# KiCad board CM4IOv5_upgraded_to_kicadv8.kicad_pcb (continued)
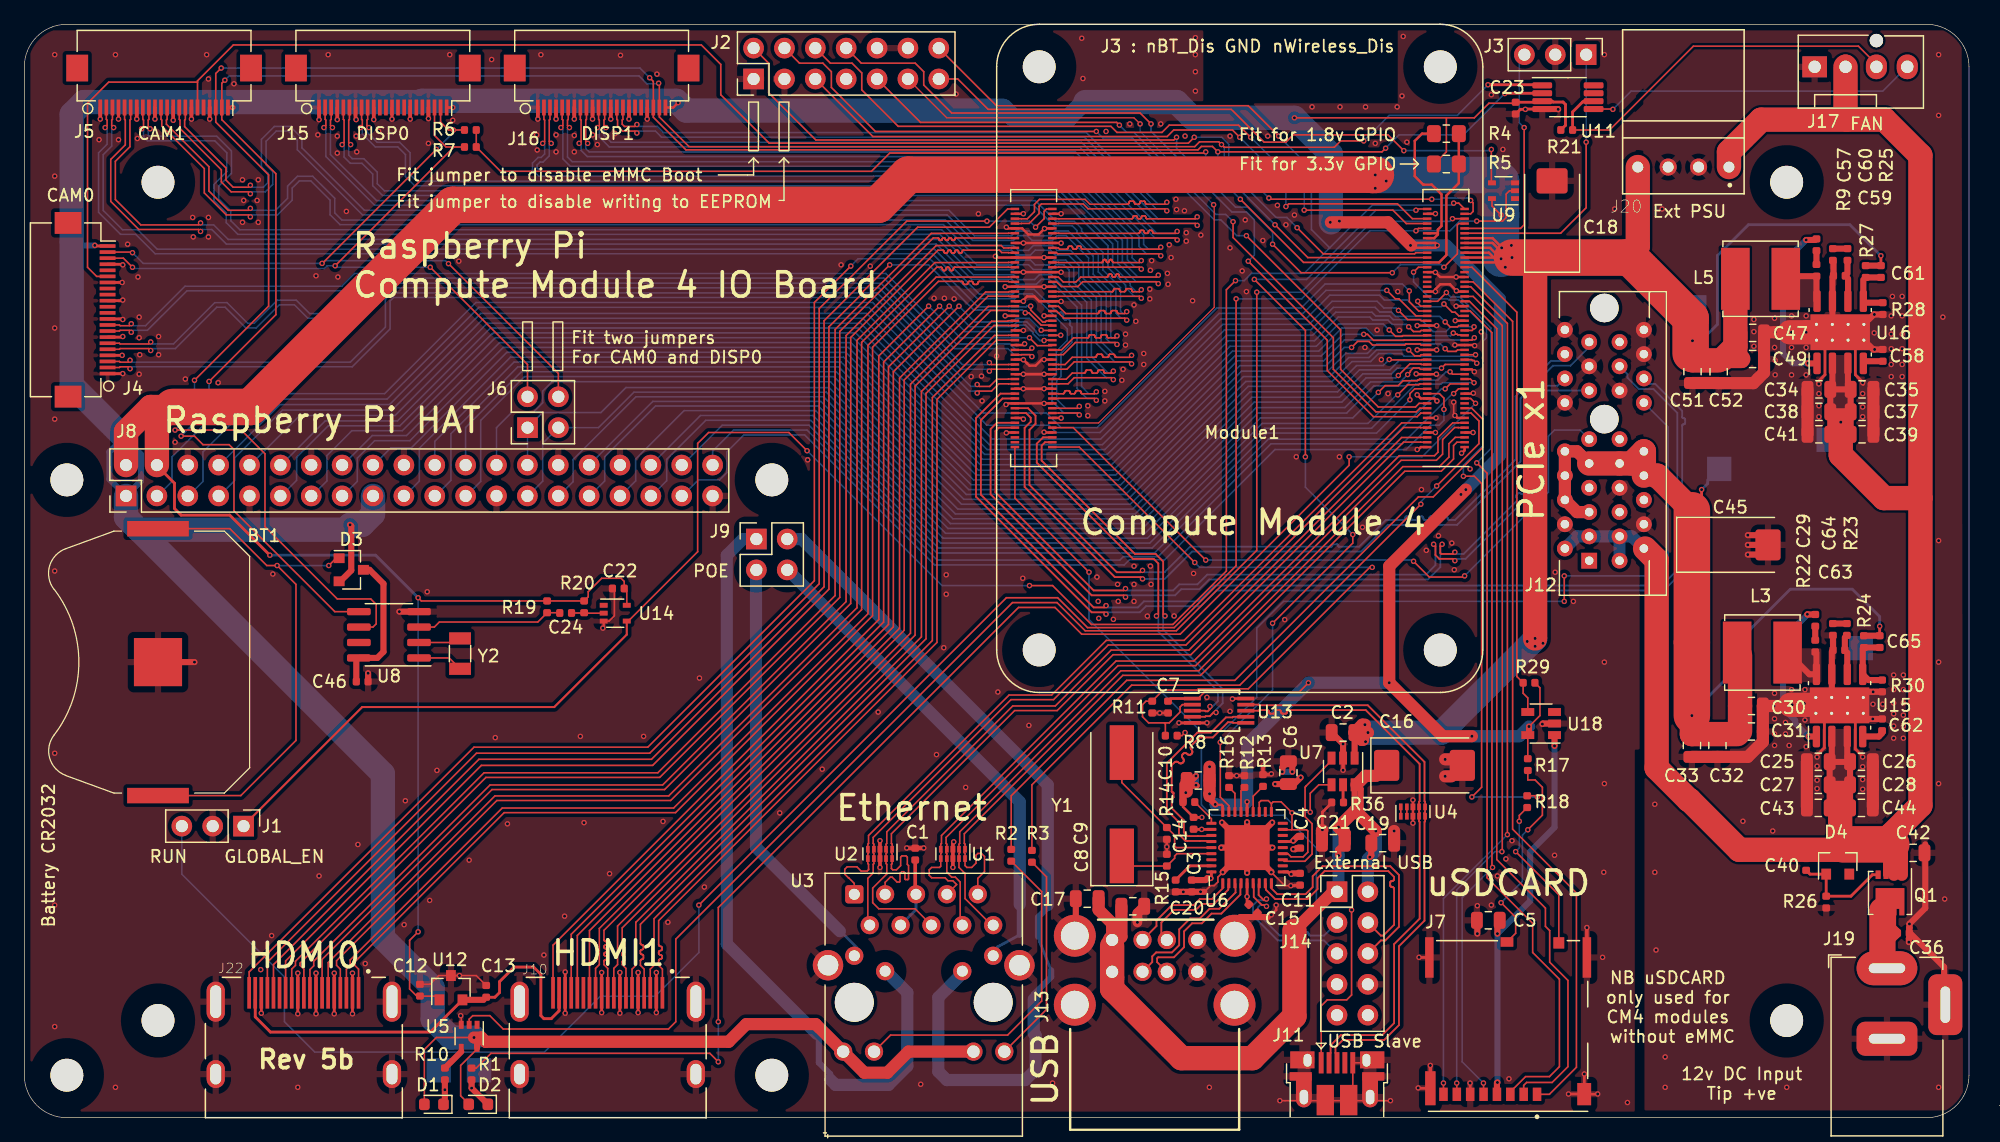
[diagram p0: board, top side]
## Routing (per net, layer and track width the routed paths; a pad name or vN(x,y) marks a point on that pad's centre or on a via; arc(x,y) is an arc through that point) (continued)
/CM4_GPIO ( Ethernet, GPIO, SDCARD)/AIN0: length 56.9
  Top w0.13: v1(103.8,75) 104.02,75.22 112.98,75.22 114.2,74 Module1.96 ; J2.5 69.82,80.76 94.03,80.76 94.57,81.3 99.4,81.3 v1(100,80.7)
  Bottom w0.13: v1(103.8,75) 103.8,76.9 v1(100,80.7)
/CM4_GPIO ( Ethernet, GPIO, SDCARD)/AIN1: length 58.6
  Top w0.13: J2.6 66.32,86.8 68.1,86.8 68.9,86 68.9,84.6 71.9,81.6 89.4,81.6 89.9,81.1 93.6,81.1 94.2,81.7 99.9,81.7 v1(100.9,80.7) ; v1(105.3,74.7) 112.6,74.7 113.7,73.6 Module1.94
  Bottom w0.13: v1(105.3,74.7) 105.3,76.3 v1(100.9,80.7)
/CM4_GPIO ( Ethernet, GPIO, SDCARD)/BT_nDis: length 18.8
  Top w0.13: Module1.91 123.1,73.2 123.4,73.5 v1(123.4,81.5)
  Bottom w0.13: v1(123.4,81.5) 123,81.9 123,87.08
/CM4_GPIO ( Ethernet, GPIO, SDCARD)/EEPROM_nWP: length 67.9
  Top w0.13: Module1.20 114.76,58.8 114.46,58.5 111.4,58.5 108.3,61.6 108.3,64.85 v1(100.55,72.6) ; J2.4 63.78,86.8 65.7,86.8 66.4,86.1 66.4,84.8 70.02,81.18 v1(88.2,81.18)
  Bottom w0.13: v1(100.55,72.6) 99.75,72.6 98.45,73.9 97.9,73.9 91.15,80.65 88.73,80.65 v1(88.2,81.18)
/CM4_GPIO ( Ethernet, GPIO, SDCARD)/ETH_LEDG: length 59.3
  Top w0.13: Module1.17 119.08,58.4 120,57.48 120,55.18 115.92,51.1 114.7,51.1 99.6,36 90.7,36 81.2,26.5 R2.2
/CM4_GPIO ( Ethernet, GPIO, SDCARD)/ETH_LEDY: length 57.2
  Top w0.13: v1(114.9,50.5) 100,35.6 91.1,35.6 82.9,27.4 R3.2 ; Module1.15 119.03,58 119.68,57.35 119.68,55.48 v1(116.2,52)
  Bottom w0.13: v1(114.9,50.5) 114.9,50.7 v1(116.2,52)
/CM4_GPIO ( Ethernet, GPIO, SDCARD)/GLOBAL_EN: length 196.2
  Top w0.13: 49.69,40.88 55.4,46.58 55.4,55.5 56.3,56.4 62.9,56.4 v1(64.4,54.9) ; v1(103.2,80.8) 100.7,83.3 79.98,83.3 J2.14 ; v1(99.65,68.9) 98.9,68.15 98.9,45 94.5,40.6 87.8,40.6 84.6,43.8 v1(82.7,43.8) ; Module1.99 118.02,75.28 v1(117.6,75.28)
  Top w0.17: 18.04,24.04 27.8,33.8 43.6,33.8 49.57,39.77 U14.4
  Bottom w0.13: v1(103.2,80.8) 105.9,78.1 105.9,73.1 107.4,71.6 ; v1(82.7,43.8) 75.5,43.8 v1(64.4,54.9) ; v1(117.6,75.28) 117.44,75.12 110.92,75.12 107.4,71.6 ; 107.4,71.6 105.3,69.5 100.97,69.5 100.37,68.9 v1(99.65,68.9)
/CM4_GPIO ( Ethernet, GPIO, SDCARD)/GPIO2: length 122.9
  Top w0.13: v1(113.95,68.05) 113.95,67.17 114.72,66.4 Module1.58
  Bottom w0.13: 10.91,51.13 12.15,52.37 12.15,54.4 17.35,59.6 29.65,59.6 37.15,67.1 69.8,67.1 78.9,58 84.1,58 85.3,56.8 88.26,56.8 98.11,66.65 105.05,66.65 107.02,68.62 113.38,68.62 v1(113.95,68.05)
/CM4_GPIO ( Ethernet, GPIO, SDCARD)/GPIO3: length 119.8
  Top w0.13: Module1.56 114.5,66 113.1,67.4 112.8,67.4 v1(112.1,68.1)
  Bottom w0.13: v1(112.1,68.1) 107.1,68.1 105.2,66.2 98.3,66.2 88.5,56.4 84.9,56.4 84.3,57 79.2,57 69.5,66.7 37.4,66.7 29.85,59.15 19.05,59.15 14.7,54.8 14.7,52.38 13.45,51.13
/CM4_GPIO ( Ethernet, GPIO, SDCARD)/GPIO4: length 116.5
  Top w0.13: Module1.54 114.93,65.6 114.84,65.69 113.82,65.69 v1(113.06,66.45)
  Bottom w0.13: v1(113.06,66.45) 112.86,66.65 111.85,66.65 111.3,67.2 107.6,67.2 105.7,65.3 98.6,65.3 88.7,55.4 79.4,55.4 69,65.8 37.8,65.8 30.25,58.25 21.25,58.25 17.3,54.3 17.3,52.44 15.99,51.13
/CM4_GPIO ( Ethernet, GPIO, SDCARD)/GPIO5: length 85.7
  Top w0.13: Module1.34 114.87,61.6 114.75,61.72 114.28,61.72 114.04,61.47 114.04,61.4 v1(113.81,61.17)
  Bottom w0.13: v1(113.81,61.17) 113.21,60.57 110.77,60.57 108.65,58.45 101.35,58.45 91.8,48.9 76.2,48.9 65.76,59.34 50.31,59.34 45.15,54.18 45.15,52.35 43.93,51.13
/CM4_GPIO ( Ethernet, GPIO, SDCARD)/GPIO6: length 82.8
  Top w0.13: v1(111.4,59.7) 111.96,60.26 113.03,60.26 113.44,60.66 114.6,60.66 114.66,60.73 114.73,60.73 114.8,60.8 Module1.30
  Bottom w0.13: 46.47,51.13 47.75,52.41 47.75,54.4 51.93,58.58 65.32,58.58 75.8,48.1 92.2,48.1 101.7,57.6 109.3,57.6 v1(111.4,59.7)
/CM4_GPIO ( Ethernet, GPIO, SDCARD)/GPIO7: length 96.5
  Top w0.13: v1(119.5,62.1) 119.28,62.32 119.15,62.32 119.07,62.4 Module1.37
  Bottom w0.13: v1(119.5,62.1) 119.28,62.32 113.12,62.32 112.35,61.56 109.86,61.56 108.05,59.75 100.85,59.75 91.2,50.1 76.8,50.1 66.32,60.58 43.43,60.58 42.65,59.8 42.65,58.85 41.9,58.1 40.15,58.1 38.85,56.8 J8.26
/CM4_GPIO ( Ethernet, GPIO, SDCARD)/GPIO8: length 98.5
  Top w0.13: Module1.39 v1(119.4,62.8)
  Bottom w0.13: v1(119.4,62.8) 119.28,62.68 113.52,62.68 113.3,62.9 111.42,62.9 110.77,62.24 109.24,62.24 107.6,60.6 100.5,60.6 90.8,50.9 77.3,50.9 66.8,61.4 40.9,61.4 36.31,56.81 36.31,53.67
/CM4_GPIO ( Ethernet, GPIO, SDCARD)/GPIO9: length 97.8
  Top w0.13: v1(113.9,63.2) 114.39,62.71 114.84,62.71 114.93,62.8 Module1.40
  Bottom w0.13: 33.77,51.13 35.1,52.46 35.1,56.3 40.6,61.8 67,61.8 77.5,51.3 90.6,51.3 100.3,61 107.4,61 108.97,62.57 110.63,62.57 111.26,63.2 v1(113.9,63.2)
/CM4_GPIO ( Ethernet, GPIO, SDCARD)/GPIO10: length 100
  Top w0.13: Module1.44 114.93,63.6 114.84,63.69 113.66,63.69 113.57,63.6 110.93,63.6 110.63,63.9 109.7,63.9 v1(109.2,63.4)
  Bottom w0.13: v1(109.2,63.4) 108.6,63.4 107.1,61.9 100,61.9 90.2,52.1 77.9,52.1 67.4,62.6 40,62.6 32.5,55.1 32.5,52.4 31.23,51.13
/CM4_GPIO ( Ethernet, GPIO, SDCARD)/GPIO11: length 95.5
  Top w0.13: v1(112.3,62.41) 112.33,62.38 114.97,62.38 114.99,62.4 Module1.38
  Bottom w0.13: v1(112.3,62.41) 111.8,61.91 109.61,61.91 107.9,60.2 100.7,60.2 91,50.5 77.1,50.5 66.6,61 41.15,61 37.55,57.4 37.55,52.37 36.31,51.13
/CM4_GPIO ( Ethernet, GPIO, SDCARD)/GPIO12: length 84
  Top w0.13: v1(117.3,61.4) 117.5,61.2 Module1.31
  Bottom w0.13: J8.32 51.71,58.96 65.54,58.96 76,48.5 92,48.5 101.5,58 108.8,58 111.04,60.24 113.67,60.24 114.15,60.71 116.3,60.71 116.98,61.4 v1(117.3,61.4)
/CM4_GPIO ( Ethernet, GPIO, SDCARD)/GPIO13: length 80
  Top w0.13: v1(113,59.5) 113.83,60.33 114.73,60.33 114.8,60.4 Module1.28
  Bottom w0.13: v1(113,59.5) 112.9,59.5 110.55,57.15 101.85,57.15 92.4,47.7 75.6,47.7 65.1,58.2 54.29,58.2 50.3,54.21 50.3,52.42 49.01,51.13
/CM4_GPIO ( Ethernet, GPIO, SDCARD)/GPIO14: length 117.8
  Top w0.13: v1(116.8,66.98) 117.48,66.3 117.72,66.3 118.02,66 Module1.55
  Bottom w0.13: v1(116.8,66.98) 116.58,66.75 114.35,66.75 113.8,67.3 111.9,67.3 111.5,67.7 107.4,67.7 105.45,65.75 98.45,65.75 88.56,55.86 79.64,55.86 69.3,66.2 37.55,66.2 30.05,58.7 21.02,58.7 15.99,53.67
/CM4_GPIO ( Ethernet, GPIO, SDCARD)/GPIO15: length 114.7
  Top w0.13: Module1.51 118.02,65.2 117.92,65.1 117.3,65.1 v1(116.9,65.5)
  Bottom w0.13: 18.53,53.67 22.66,57.8 30.5,57.8 38.1,65.4 68.8,65.4 79.2,55 88.9,55 98.75,64.85 105.85,64.85 107.7,66.7 111.14,66.7 111.52,66.32 112.46,66.32 112.83,65.96 116.44,65.96 v1(116.9,65.5)
/CM4_GPIO ( Ethernet, GPIO, SDCARD)/GPIO16: length 80.1
  Top w0.13: v1(119.28,60.5) 118.98,60.8 Module1.29
  Bottom w0.13: J8.36 55.63,57.8 64.9,57.8 75.4,47.3 92.6,47.3 102.05,56.75 110.85,56.75 114.48,60.38 116.57,60.38 116.68,60.5 v1(119.28,60.5)
/CM4_GPIO ( Ethernet, GPIO, SDCARD)/GPIO17: length 110.7
  Top w0.13: Module1.50 114.93,64.8 114.84,64.71 114.29,64.71 v1(113.9,65.1)
  Bottom w0.13: 21.07,51.13 22.4,52.46 22.4,54.35 25,56.95 30.9,56.95 38.45,64.5 38.5,64.5 38.6,64.6 68.4,64.6 78.8,54.2 89.3,54.2 99.05,63.95 106.15,63.95 108.1,65.9 110.7,65.9 110.94,65.66 112.19,65.66 112.55,65.3 113.7,65.3 v1(113.9,65.1)
/CM4_GPIO ( Ethernet, GPIO, SDCARD)/GPIO18: length 113.9
  Top w0.13: v1(119.28,65.1) 119.28,64.96 119.12,64.8 Module1.49
  Bottom w0.13: 21.07,53.67 24.75,57.35 30.7,57.35 38.35,65 68.6,65 79,54.6 89.1,54.6 98.9,64.4 106,64.4 107.9,66.3 110.88,66.3 111.19,65.99 112.33,65.99 112.63,65.69 114.93,65.69 115.91,64.71 116.97,64.71 117.36,65.1 v1(119.28,65.1)
/CM4_GPIO ( Ethernet, GPIO, SDCARD)/GPIO19: length 77.6
  Top w0.13: v1(114,59.1) 114,59.6 114.4,60 Module1.26
  Bottom w0.13: 51.55,51.13 52.85,52.43 52.85,54.19 56.06,57.4 64.7,57.4 75.2,46.9 92.8,46.9 102.25,56.35 111.25,56.35 v1(114,59.1)
/CM4_GPIO ( Ethernet, GPIO, SDCARD)/GPIO20: length 75.9
  Top w0.13: v1(116.9,59.99) 117.31,60.4 Module1.27
  Bottom w0.13: 54.09,53.67 57.42,57 64.56,57 75.08,46.48 92.98,46.48 102.35,55.85 112.45,55.85 116.59,59.99 v1(116.9,59.99)
/CM4_GPIO ( Ethernet, GPIO, SDCARD)/GPIO21: length 74.1
  Top w0.13: v1(117.6,59.6) 118,60 Module1.25
  Bottom w0.13: v1(117.6,59.6) 117.5,59.6 113.37,55.47 102.57,55.47 93.28,46.18 90.42,46.18 90.14,45.9 75.1,45.9 64.4,56.6 58.36,56.6 56.63,54.87 56.63,53.67
/CM4_GPIO ( Ethernet, GPIO, SDCARD)/GPIO22: length 104.8
  Top w0.13: v1(110.2,64.48) 110.52,64.48 111.01,63.99 113.51,63.99 113.54,64.02 115.4,64.02
  Bottom w0.13: v1(110.2,64.48) 108.48,64.48 106.7,62.7 99.6,62.7 89.8,52.9 78.3,52.9 67.8,63.4 39.4,63.4 31.72,55.72 28.83,55.72 27.4,54.3 27.4,52.38 26.15,51.13
/CM4_GPIO ( Ethernet, GPIO, SDCARD)/GPIO23: length 105.8
  Top w0.13: 118.17,64.4 118.14,64.43 117.94,64.43 117.88,64.49 117.67,64.49 v1(117.57,64.59)
  Bottom w0.13: 26.15,53.67 28.63,56.15 31.45,56.15 39.1,63.8 68,63.8 78.5,53.3 89.6,53.3 99.4,63.1 106.5,63.1 108.39,64.99 110.41,64.99 111.04,64.36 117.35,64.36 v1(117.57,64.59)
/CM4_GPIO ( Ethernet, GPIO, SDCARD)/GPIO24: length 104.6
  Top w0.13: v1(119.3,64.2) 119.1,64 Module1.45
  Bottom w0.13: v1(119.3,64.2) 119.12,64.02 108.62,64.02 106.9,62.3 99.8,62.3 90,52.5 78.1,52.5 67.6,63 39.7,63 31.84,55.14 30.16,55.14 28.69,53.67
/CM4_GPIO ( Ethernet, GPIO, SDCARD)/GPIO25: length 99.1
  Top w0.13: v1(116.9,63.3) 117.12,63.08 117.8,63.08 117.92,63.2 Module1.41
  Bottom w0.13: 33.77,53.67 33.77,55.67 40.3,62.2 67.2,62.2 77.7,51.7 90.4,51.7 100.15,61.45 107.25,61.45 108.71,62.91 110.5,62.91 111.28,63.69 116.51,63.69 v1(116.9,63.3)
/CM4_GPIO ( Ethernet, GPIO, SDCARD)/GPIO26: length 78.5
  Top w0.13: v1(116.8,58.3) 116.8,59.23 116.43,59.6 Module1.24
  Bottom w0.13: 54.09,51.13 55.46,52.5 57.2,52.5 57.8,53.1 57.8,54.8 59.2,56.2 64.2,56.2 74.9,45.5 90.5,45.5 90.92,45.92 93.82,45.92 102.9,55 113.7,55 115.7,57 116.4,57 116.8,57.4 v1(116.8,58.3)
/CM4_GPIO ( Ethernet, GPIO, SDCARD)/GPIO27: length 108
  Top w0.13: v1(112.3,64.84) 112.82,64.32 113.37,64.32 113.43,64.38 115.4,64.38
  Bottom w0.13: v1(112.3,64.84) 111.81,65.33 108.13,65.33 106.3,63.5 99.2,63.5 89.45,53.75 78.65,53.75 68.2,64.2 38.75,64.2 31.1,56.55 26.95,56.55 24.9,54.5 24.9,52.42 23.61,51.13
/CM4_GPIO ( Ethernet, GPIO, SDCARD)/GPIO_VREF: length 97.8
  Top w0.13: v1(100.05,75.6) 105.25,70.4 Module1.78 ; v1(97.2,79.5) 97.1,79.4 71.2,79.4 69.7,77.9 39.19,77.9 R7.1 R6.1
  Top w0.2: Module1.78 116.4,70.4 117,71 117,75.9 118.03,76.92 R5.2 R4.2
  Bottom w0.13: v1(97.2,79.5) 97.2,78.45 v1(100.05,75.6)
/CM4_GPIO ( Ethernet, GPIO, SDCARD)/ID_SC: length 90.9
  Top w0.13: v1(116.6,61.7) 116.9,62 Module1.35
  Bottom w0.13: 41.4,53.73 J6.1 42.64,58.04 47.44,58.04 49.5,60.1 66.2,60.1 76.6,49.7 91.4,49.7 101,59.3 108.2,59.3 110.13,61.23 112.48,61.23 112.96,61.7 v1(116.6,61.7)
/CM4_GPIO ( Ethernet, GPIO, SDCARD)/ID_SD: length 89
  Top w0.13: v1(113.05,61.1) 114,62.05 114.89,62.05 114.93,62 Module1.36
  Bottom w0.13: v1(113.05,61.1) 112.85,60.9 110.4,60.9 108.4,58.9 101.2,58.9 91.6,49.3 76.4,49.3 65.98,59.72 50.16,59.72 47.24,56.8 J6.3 42.65,55.51 42.65,52.39 41.39,51.13
/CM4_GPIO ( Ethernet, GPIO, SDCARD)/nPWR_LED: length 128.9
  Top w0.13: U5.2 36.6,8.1 36.89,8.4 38.3,8.4 39.4,7.3 53,7.3 53.6,7.9 53.6,14.7 81.3,42.4 84.96,42.4 87.28,40.08 94.78,40.08 101.4,46.7 v1(101.4,67.95) ; v1(117.5,74) Module1.95
  Bottom w0.13: v1(117.5,74) 117.28,73.78 110.88,73.78 105.05,67.95 v1(101.4,67.95)
/CM4_GPIO ( Ethernet, GPIO, SDCARD)/nRPIBOOT: length 72.1
  Top w0.13: v1(94.8,80.7) 94.58,80.48 65.12,80.48 61.24,84.36 61.24,86.8 J2.2 ; v1(102.7,71.9) 105.05,69.55 v1(112.55,69.55) ; Module1.93 118.02,73.6 117.9,73.48 117.9,71.1 v1(116.8,70)
  Bottom w0.13: v1(112.55,69.55) 113.22,70.22 116.58,70.22 v1(116.8,70) ; v1(102.7,71.9) 102.7,72.9 100.65,74.95 99.65,74.95 94.8,79.8 v1(94.8,80.7)
/CM4_GPIO ( Ethernet, GPIO, SDCARD)/Reserved: length 56.8
  Top w0.13: v1(114.3,69.6) 114.7,70 Module1.76 ; v1(124.48,26.4) 124.38,26.5 R18.1 ; v1(118.4,52.8) 119.3,52.8 119.9,52.2 119.9,27.2 v1(119.1,26.4)
  Bottom w0.13: v1(114.3,69.6) 114.3,68.8 115.7,67.4 117.1,67.4 117.2,67.3 118,67.3 120.3,65 120.3,64.2 120,63.9 120,55.3 118.4,53.7 v1(118.4,52.8) ; v1(119.1,26.4) v1(124.48,26.4)
/CM4_GPIO ( Ethernet, GPIO, SDCARD)/RUN_PG: length 170.6
  Top w0.13: v1(119.5,73.8) 121.62,73.8 121.92,74.1 121.92,76.03 122.19,76.3 U9.2 ; v1(99.7,67.4) 99.7,45.43 94.61,40.34 87.48,40.34 85.02,42.8 80.8,42.8 v1(55.5,17.5) ; v1(114.5,73) 114.7,73.2 Module1.92
  Bottom w0.13: v1(119.5,73.8) 118.1,73.8 117.3,73 v1(114.5,73) 110.7,73 105.1,67.4 v1(99.7,67.4) ; J1.3 12.96,20.04 21.4,11.6 21.4,7.9 23.9,5.4 42.8,5.4 47.4,10 51.9,10 55.5,13.6 v1(55.5,17.5)
/CM4_GPIO ( Ethernet, GPIO, SDCARD)/SD_CLK: length 67.5
  Top w0.13: Module1.57 118.97,66.4 120.75,64.62 120.75,20.65 v1(120.8,20.6) ; J7.5 120.06,2.84 v1(120.05,2.85)
  Bottom w0.13: v1(120.05,2.85) 118.3,4.6 118.3,18.1 v1(120.8,20.6)
/CM4_GPIO ( Ethernet, GPIO, SDCARD)/SD_CMD: length 75.7
  Top w0.13: Module1.62 116.28,67.2 v1(117,67.92) ; v1(119.5,53.9) 120.35,53.05 120.35,19.75 124.1,16 124.1,13.6 126.3,11.4 126.3,4.2 125.48,3.38 123.52,3.38 122.26,2.12
  Bottom w0.13: v1(119.5,53.9) 120.66,55.06 120.66,65.01 118.11,67.56 117.36,67.56 v1(117,67.92)
/CM4_GPIO ( Ethernet, GPIO, SDCARD)/SD_DAT0: length 69.3
  Top w0.13: v1(121.57,21.9) 121.6,21.93 121.6,65.2 119.2,67.6 Module1.63 ; v1(117.85,2.85) 117.86,2.84 J7.7
  Bottom w0.13: v1(121.57,21.9) 121,21.9 117.85,18.75 v1(117.85,2.85)
/CM4_GPIO ( Ethernet, GPIO, SDCARD)/SD_DAT1: length 70.4
  Top w0.13: v1(122.02,23.3) 122.02,65.38 119,68.4 Module1.67 ; J7.8 v1(116.76,2.85)
  Bottom w0.13: v1(122.02,23.3) 116.76,18.04 v1(116.76,2.85)
/CM4_GPIO ( Ethernet, GPIO, SDCARD)/SD_DAT2: length 73
  Top w0.13: J7.1 125.47,1.93 127.7,4.15 127.7,18.5 122.45,23.75 122.45,65.55 119.2,68.8 Module1.69
/CM4_GPIO ( Ethernet, GPIO, SDCARD)/SD_DAT3: length 71.8
  Top w0.13: J7.2 123.36,2.66 123.6,2.9 125.7,2.9 127,4.2 127,11.3 125.5,12.8 125.5,15.4 125.15,15.75 125.15,17.25 121.15,21.25 121.15,64.95 118.9,67.2 Module1.61
/CM4_GPIO ( Ethernet, GPIO, SDCARD)/SD_PWR: length 32.4
  Top w0.5: v1(121.2,2.9) 121.16,2.86 J7.4 ; v1(121.2,15.15) 121.2,16.06 ; U18.1 v1(125.9,30.6)
  Bottom w0.5: v1(121.2,2.9) v1(121.2,15.15) 123.9,17.85 123.9,21.9 125.9,23.9 v1(125.9,30.6)
/CM4_GPIO ( Ethernet, GPIO, SDCARD)/SD_PWR_ON: length 39.1
  Top w0.13: U18.4 123.7,34.55 123.31,34.94 R29.2 122.8,36.31 122.8,66.3 119.1,70 Module1.75
/CM4_GPIO ( Ethernet, GPIO, SDCARD)/SYNC_IN: length 65.7
  Top w0.13: Module1.16 114.89,58 114.59,57.7 111,57.7 107.2,61.5 107.2,64 v1(100.7,70.5) ; J2.8 68.86,86.8 73.3,86.8 74,86.1 74,85 76.3,82.7 91.8,82.7 v1(92.7,81.8)
  Bottom w0.13: v1(92.7,81.8) 92.7,81.2 99.35,74.55 100.55,74.55 101.2,73.9 101.2,71 v1(100.7,70.5)
/CM4_GPIO ( Ethernet, GPIO, SDCARD)/SYNC_OUT: length 59
  Top w0.13: v1(99.45,73.75) 99.45,72.45 107.7,64.2 107.7,61.6 111.2,58.1 114.53,58.1 114.83,58.4 Module1.18 ; J2.9 73.74,81.92 89.88,81.92 v1(90.1,81.7)
  Bottom w0.13: v1(90.1,81.7) 90.7,81.1 91.3,81.1 98.05,74.35 98.85,74.35 v1(99.45,73.75)
/CM4_GPIO ( Ethernet, GPIO, SDCARD)/TR0_TAP: length 34.5
  Bottom w0.23: 67.1,15.35 67.15,15.35 68.49,14.01
  Bottom w1: 60.2,45.06 60.2,22.25 67.1,15.35
/CM4_GPIO ( Ethernet, GPIO, SDCARD)/TR1_TAP: length 65.1
  Bottom w0.5: 65.2,6.9 65.37,6.73 65.37,4.53 66.3,3.6 66.3,3.15
  Bottom w1: 65.2,6.9 57.8,14.3 57.8,46.3 59.13,47.63 J9.1 ; 71.05,11.9 72.65,10.3 72.65,4.25 71.1,2.7 66.75,2.7 66.3,3.15
/CM4_GPIO ( Ethernet, GPIO, SDCARD)/TR2_TAP: length 77.9
  Bottom w0.23: 83.4,14.9 83.53,14.77 83.53,14.5 84.48,12.13
  Bottom w0.5: 84.48,12.13 84.48,11.58 83.05,10.15 83.05,9.75 ; 84.2,17.3 83.4,16.5 83.4,14.9 ; 82.3,3.1 82.35,3.1
  Bottom w0.7: 75.9,3.1 82.3,3.1
  Bottom w1: 84.2,17.5 84.2,27.4 63.97,47.63 J9.2 ; 76.89,11.59 75.2,9.9 75.2,3.8 75.9,3.1 82.35,3.1 83.2,3.95 83.2,6.8 83.05,6.95 83.05,9.75
/CM4_GPIO ( Ethernet, GPIO, SDCARD)/TR3_TAP: length 40.8
  Bottom w0.23: U3.14 80.05,14.05 81.9,15.05
  Bottom w0.5: 81.9,17.55 81.9,15.05
  Bottom w1: 81.9,17.55 81.9,26 62.81,45.09
/CM4_GPIO ( Ethernet, GPIO, SDCARD)/TRD0_N: length 66.7
  Top w0.127: U2.4 69.9,22.51 69.84,22.57 69.84,23.07 81.18,34.41 84.68,34.41 89.18,38.91 95.58,38.91 113.48,56.81 114.88,56.81 114.89,56.8 Module1.10 ; 69.4,16 69.4,19.7 69.84,20.14 69.84,20.86 69.9,20.92 U2.7 69.9,21.74 69.84,21.8 69.84,21.91
/CM4_GPIO ( Ethernet, GPIO, SDCARD)/TRD0_P: length 67.4
  Top w0.127: 69.46,21.91 69.46,21.8 69.4,21.74 U2.6 69.4,20.92 69.46,20.86 69.46,20.41 69.35,20.3 68.85,20.3 68.5,20.65 67.7,20.65 67.5,20.45 67.5,20.05 67.8,19.75 67.82,19.75 68.28,19.28 U3.1 ; Module1.12 114.89,57.2 114.88,57.19 113.32,57.19 95.42,39.29 89.02,39.29 84.52,34.79 81.02,34.79 69.46,23.23 69.46,22.57 69.4,22.51 U2.5
/CM4_GPIO ( Ethernet, GPIO, SDCARD)/TRD1_N: length 69.7
  Top w0.127: 70.96,21.91 70.96,21.8 70.9,21.74 U2.9 70.9,20.92 70.96,20.86 70.96,20.06 69.8,18.9 69.8,17.7 70.3,17.2 73.28,17.2 U3.6 ; Module1.6 114.89,56 114.88,55.99 113.32,55.99 95.82,38.49 89.42,38.49 84.82,33.89 81.32,33.89 70.96,23.53 70.96,22.57 70.9,22.51 U2.2
/CM4_GPIO ( Ethernet, GPIO, SDCARD)/TRD1_P: length 68.9
  Top w0.127: 71.34,21.91 71.34,21.8 71.4,21.74 U2.10 71.4,20.92 71.34,20.86 71.34,20.51 71.45,20.4 71.75,20.4 72.1,20.75 72.1,21.45 72.2,21.55 72.55,21.55 72.65,21.45 72.65,20.85 72.75,20.75 72.75,19.65 72.7,19.6 72.5,19.6 72.45,19.65 72.45,20.15 72.35,20.25 72.2,20.25 72.05,20.1 72.05,19.45 72,19.4 71.8,19.4 71.4,19.8 71.25,19.8 70.82,19.38 U3.3 ; Module1.4 114.89,55.6 114.88,55.61 113.48,55.61 95.98,38.11 89.58,38.11 84.98,33.51 81.48,33.51 71.34,23.37 71.34,22.57 71.4,22.51 U2.1
/CM4_GPIO ( Ethernet, GPIO, SDCARD)/TRD2_N: length 64.9
  Top w0.127: 75.84,21.91 75.84,21.8 75.9,21.74 U1.7 75.9,20.2 76.3,19.8 76.6,19.8 77,19.4 77,16.03 ; U1.4 75.9,22.51 75.84,22.57 75.84,23.07 89.98,37.21 96.38,37.21 113.28,54.11 116.18,54.11 116.69,54.62 116.69,55.82 117.68,56.81 117.96,56.81 117.97,56.8 Module1.9
/CM4_GPIO ( Ethernet, GPIO, SDCARD)/TRD2_P: length 65.4
  Top w0.127: 75.46,21.91 75.46,21.8 75.4,21.74 U1.6 75.4,20.7 75.3,20.6 74.65,20.6 74.45,20.4 74.45,19.95 74.65,19.75 75.75,19.75 76,19.5 76.4,19.5 76.7,19.2 76.7,19.19 U3.7 ; Module1.11 117.97,57.2 117.96,57.19 117.52,57.19 116.31,55.98 116.31,54.78 116.02,54.49 113.12,54.49 96.22,37.59 89.82,37.59 75.46,23.23 75.46,22.57 75.4,22.51 U1.5
/CM4_GPIO ( Ethernet, GPIO, SDCARD)/TRD3_N: length 64.3
  Top w0.127: U1.2 76.9,22.51 76.96,22.57 76.96,23.53 90.22,36.79 96.62,36.79 113.42,53.59 116.42,53.59 117.21,54.38 117.21,55.48 117.73,56 Module1.5 ; 76.96,21.91 76.96,21.8 76.9,21.74 U1.9 76.9,20.6 77.4,20.1 77.4,18.04 79.59,15.85
/CM4_GPIO ( Ethernet, GPIO, SDCARD)/TRD3_P: length 63.6
  Top w0.127: 77.34,21.91 77.34,21.8 77.4,21.74 U1.10 77.4,20.75 77.55,20.6 77.95,20.6 78.3,20.95 78.3,21.6 78.45,21.75 78.75,21.75 79,21.5 79,20.25 78.44,19.69 U3.9 ; Module1.3 117.87,55.6 117.59,55.32 117.59,54.22 116.58,53.21 113.58,53.21 96.78,36.41 90.38,36.41 77.34,23.37 77.34,22.57 77.4,22.51 U1.1
/CM4_GPIO ( Ethernet, GPIO, SDCARD)/TV_OUT: length 55.5
  Top w0.1: 84.6,57.18 88.38,57.18 97.9,66.7 97.9,75.1 v1(97.85,75.15) ; J2.11 75.89,82.31 91.29,82.31 v1(91.8,81.8)
  Bottom w0.1: v1(91.8,81.8) 91.8,81.2 v1(97.85,75.15)
/CM4_GPIO ( Ethernet, GPIO, SDCARD)/WL_nDis: length 23.5
  Top w0.13: v1(128.5,80.3) 128.5,74.9 126.4,72.8 Module1.89
  Bottom w0.13: v1(128.5,80.3) J3.1
/CM4_HighSpeed/CAM0_C_N: length 82.1
  Top w0.127: Module1.140 82.03,62.8 82.04,62.81 82.74,62.81 v1(82.9,62.65) ; J4.8 7.83,64.75 7.89,64.81 8.64,64.81 v1(8.8,64.65)
  Bottom w0.127: v1(8.8,64.65) 8.96,64.81 10.13,64.81 13.38,68.06 26.28,68.06 27.33,69.11 70.72,69.11 76.52,63.31 80.92,63.31 81.42,62.81 82.74,62.81 v1(82.9,62.65)
/CM4_HighSpeed/CAM0_C_P: length 82.1
  Top w0.127: v1(8.8,65.35) 8.64,65.19 7.89,65.19 7.83,65.25 J4.9 ; v1(82.9,63.35) 82.74,63.19 82.04,63.19 82.03,63.2 Module1.142
  Bottom w0.127: v1(8.8,65.35) 8.96,65.19 9.97,65.19 13.22,68.44 26.12,68.44 27.17,69.49 70.88,69.49 76.68,63.69 81.08,63.69 81.58,63.19 82.74,63.19 v1(82.9,63.35)
/CM4_HighSpeed/CAM0_D0_N: length 82.1
  Top w0.127: J4.2 7.83,61.75 7.89,61.81 8.54,61.81 v1(8.7,61.65) ; Module1.128 80.97,60.4 80.96,60.41 80.18,60.41 79.58,59.81 78.56,59.81 v1(78.4,59.65)
  Bottom w0.127: v1(8.7,61.65) 8.86,61.81 26.98,61.81 30.09,64.92 30.09,67.22 30.38,67.51 70.02,67.51 77.72,59.81 78.24,59.81 v1(78.4,59.65)
/CM4_HighSpeed/CAM0_D0_P: length 82.1
  Top w0.127: J4.3 7.83,62.25 7.89,62.19 8.54,62.19 v1(8.7,62.35) ; v1(78.4,60.35) 78.56,60.19 79.42,60.19 80.02,60.79 80.96,60.79 80.97,60.8 Module1.130
  Bottom w0.127: v1(8.7,62.35) 8.86,62.19 26.82,62.19 29.71,65.08 29.71,67.38 30.22,67.89 70.18,67.89 77.88,60.19 78.24,60.19 v1(78.4,60.35)
/CM4_HighSpeed/CAM0_D1_N: length 82.1
  Top w0.127: v1(79.4,61.45) 79.56,61.61 80.96,61.61 80.97,61.6 Module1.134 ; v1(10.4,63.15) 10.24,63.31 7.89,63.31 7.83,63.25 J4.5
  Bottom w0.127: v1(10.4,63.15) 10.56,63.31 12.43,63.31 15.83,66.71 16.52,66.71 18.22,65.01 19.08,65.01 20.98,66.91 22.22,66.91 23.32,65.81 25.93,65.81 28.43,68.31 70.32,68.31 77.02,61.61 79.24,61.61 v1(79.4,61.45)
/CM4_HighSpeed/CAM0_D1_P: length 82.1
  Top w0.127: v1(79.4,62.15) 79.56,61.99 80.96,61.99 80.97,62 Module1.136 ; J4.6 7.83,63.75 7.89,63.69 10.24,63.69 v1(10.4,63.85)
  Bottom w0.127: v1(79.4,62.15) 79.24,61.99 77.18,61.99 70.48,68.69 28.27,68.69 25.77,66.19 23.48,66.19 22.38,67.29 20.82,67.29 18.92,65.39 18.38,65.39 16.68,67.09 15.67,67.09 12.27,63.69 10.56,63.69 v1(10.4,63.85)
/CM4_HighSpeed/CAM1_C_N: length 104.3
  Top w0.127: J5.8 9.75,82.17 9.81,82.11 9.81,81.56 v1(9.65,81.4) ; Module1.127 85.11,60.4 85.12,60.41 85.88,60.41 86.38,60.91 89.44,60.91 v1(89.6,60.75)
  Bottom w0.127: v1(9.65,81.4) 9.81,81.24 9.81,80.72 10.12,80.41 15.67,80.41 16.66,79.42 16.66,77.88 15.61,76.83 15.61,75.47 16.61,74.47 16.61,73.67 17.57,72.71 75.32,72.71 78.22,69.81 81.38,69.81 81.78,70.21 82.62,70.21 83.02,69.81 84.48,69.81 84.88,70.21 85.52,70.21 85.96,69.77 85.96,68.57 87.41,67.12 87.41,62.52 89.02,60.91 89.44,60.91 v1(89.6,60.75)
/CM4_HighSpeed/CAM1_C_P: length 104.2
  Top w0.127: Module1.129 85.11,60.8 85.12,60.79 85.72,60.79 86.22,61.29 87.19,61.29 87.22,61.29 87.24,61.3 87.27,61.32 87.29,61.34 87.3,61.36 87.31,61.39 87.32,61.44 87.33,61.47 87.34,61.49 87.36,61.51 87.39,61.53 87.41,61.54 87.44,61.54 87.69,61.54 87.72,61.54 87.74,61.53 87.77,61.51 87.79,61.49 87.8,61.47 87.81,61.44 87.82,61.39 87.83,61.36 87.84,61.34 87.86,61.32 87.89,61.3 87.91,61.29 87.94,61.29 88.19,61.29 88.22,61.29 88.24,61.3 88.27,61.32 88.29,61.34 88.3,61.36 88.31,61.39 88.32,61.44 88.33,61.47 88.34,61.49 88.36,61.51 88.39,61.53 88.41,61.54 88.44,61.54 88.69,61.54 88.72,61.54 88.74,61.53 88.77,61.51 88.79,61.49 88.8,61.47 88.81,61.44 88.82,61.39 88.83,61.36 88.84,61.34 88.86,61.32 88.89,61.3 88.91,61.29 88.94,61.29 89.44,61.29 v1(89.6,61.45) ; J5.9 10.25,82.17 10.19,82.11 10.19,81.56 v1(10.35,81.4)
  Bottom w0.127: v1(89.6,61.45) 89.44,61.29 89.18,61.29 87.79,62.68 87.79,67.28 86.34,68.73 86.34,69.93 85.68,70.59 84.72,70.59 84.32,70.19 83.18,70.19 82.78,70.59 81.62,70.59 81.22,70.19 78.38,70.19 75.48,73.09 17.73,73.09 16.99,73.83 16.99,74.63 15.99,75.63 15.99,76.67 17.04,77.72 17.04,79.58 15.83,80.79 10.28,80.79 10.19,80.88 10.19,81.24 v1(10.35,81.4)
/CM4_HighSpeed/CAM1_D0_N: length 104.5
  Top w0.127: J5.2 6.75,82.17 6.81,82.11 6.81,81.66 v1(6.65,81.5) ; v1(86.8,57.85) 86.64,58.01 85.12,58.01 85.11,58 Module1.115
  Bottom w0.127: v1(86.8,57.85) 86.64,58.01 85.52,58.01 84.56,58.97 84.56,60.83 84.91,61.18 84.91,63.08 85.81,63.98 85.81,64.92 82.92,67.81 81.88,67.81 81.48,67.41 78.42,67.41 74.72,71.11 10.77,71.11 9.17,72.71 7.92,72.71 6.11,74.52 6.11,79.43 6.81,80.13 6.81,81.34 v1(6.65,81.5)
/CM4_HighSpeed/CAM1_D0_P: length 104.5
  Top w0.127: v1(7.35,81.5) 7.19,81.66 7.19,82.11 7.25,82.17 J5.3 ; v1(86.8,58.55) 86.64,58.39 85.12,58.39 85.11,58.4 Module1.117
  Bottom w0.127: v1(7.35,81.5) 7.19,81.34 7.19,79.97 6.49,79.27 6.49,74.68 8.08,73.09 9.33,73.09 10.93,71.49 74.88,71.49 78.58,67.79 81.32,67.79 81.72,68.19 83.08,68.19 85.01,66.26 85.03,66.24 85.06,66.23 85.08,66.22 85.11,66.22 85.14,66.23 85.16,66.24 85.21,66.28 85.23,66.29 85.26,66.3 85.29,66.3 85.32,66.29 85.34,66.28 85.36,66.26 85.47,66.15 85.49,66.13 85.5,66.11 85.5,66.08 85.5,66.05 85.5,66.02 85.49,66 85.45,65.95 85.44,65.93 85.43,65.9 85.43,65.87 85.44,65.85 85.45,65.82 85.47,65.8 85.57,65.69 85.6,65.68 85.62,65.66 85.65,65.66 85.68,65.66 85.7,65.66 85.73,65.68 85.77,65.71 85.8,65.72 85.83,65.73 85.85,65.73 85.88,65.72 85.91,65.71 85.93,65.69 86.03,65.59 86.05,65.57 86.06,65.54 86.07,65.51 86.07,65.49 86.06,65.46 86.05,65.43 86.02,65.39 86,65.36 86,65.34 86,65.31 86,65.28 86.02,65.26 86.03,65.23 86.19,65.08 86.19,63.82 85.29,62.92 85.29,61.02 84.94,60.67 84.94,59.13 85.68,58.39 86.64,58.39 v1(86.8,58.55)
/CM4_HighSpeed/CAM1_D1_N: length 104.2
  Top w0.127: v1(88.2,59.05) 88.04,59.21 85.12,59.21 85.11,59.2 Module1.121 ; v1(14.5,72.95) 14.34,73.11 9.42,73.11 7.11,75.42 7.11,78.88 8.31,80.08 8.31,82.11 8.25,82.17 J5.5
  Bottom w0.127: v1(88.2,59.05) 88.04,59.21 87.42,59.21 86.61,60.02 86.61,66.72 84.32,69.01 83.68,69.01 83.28,68.61 81.62,68.61 81.22,69.01 77.92,69.01 75.02,71.91 16.62,71.91 15.42,73.11 14.66,73.11 v1(14.5,72.95)
/CM4_HighSpeed/CAM1_D1_P: length 104.1
  Top w0.127: v1(88.2,59.75) 88.04,59.59 87.06,59.59 87.03,59.59 87.01,59.6 86.98,59.62 86.96,59.64 86.95,59.66 86.94,59.69 86.93,59.74 86.92,59.77 86.91,59.79 86.89,59.81 86.86,59.83 86.84,59.84 86.81,59.84 86.61,59.84 86.58,59.84 86.56,59.83 86.53,59.81 86.51,59.79 86.5,59.77 86.49,59.74 86.48,59.69 86.47,59.66 86.46,59.64 86.44,59.62 86.41,59.6 86.39,59.59 86.36,59.59 86.16,59.59 86.13,59.59 86.11,59.6 86.08,59.62 86.06,59.64 86.05,59.66 86.04,59.69 86.03,59.74 86.02,59.77 86.01,59.79 85.99,59.81 85.96,59.83 85.94,59.84 85.91,59.84 85.71,59.84 85.68,59.84 85.66,59.83 85.63,59.81 85.61,59.79 85.6,59.77 85.59,59.74 85.58,59.69 85.57,59.66 85.56,59.64 85.54,59.62 85.51,59.6 85.49,59.59 85.46,59.59 85.12,59.59 85.11,59.6 Module1.123 ; v1(14.5,73.65) 14.34,73.49 9.58,73.49 7.49,75.58 7.49,78.72 8.69,79.92 8.69,82.11 8.75,82.17 J5.6